# Altium PCB PCB-Tester-Board.PcbDoc (part 2 of 7) (continued)
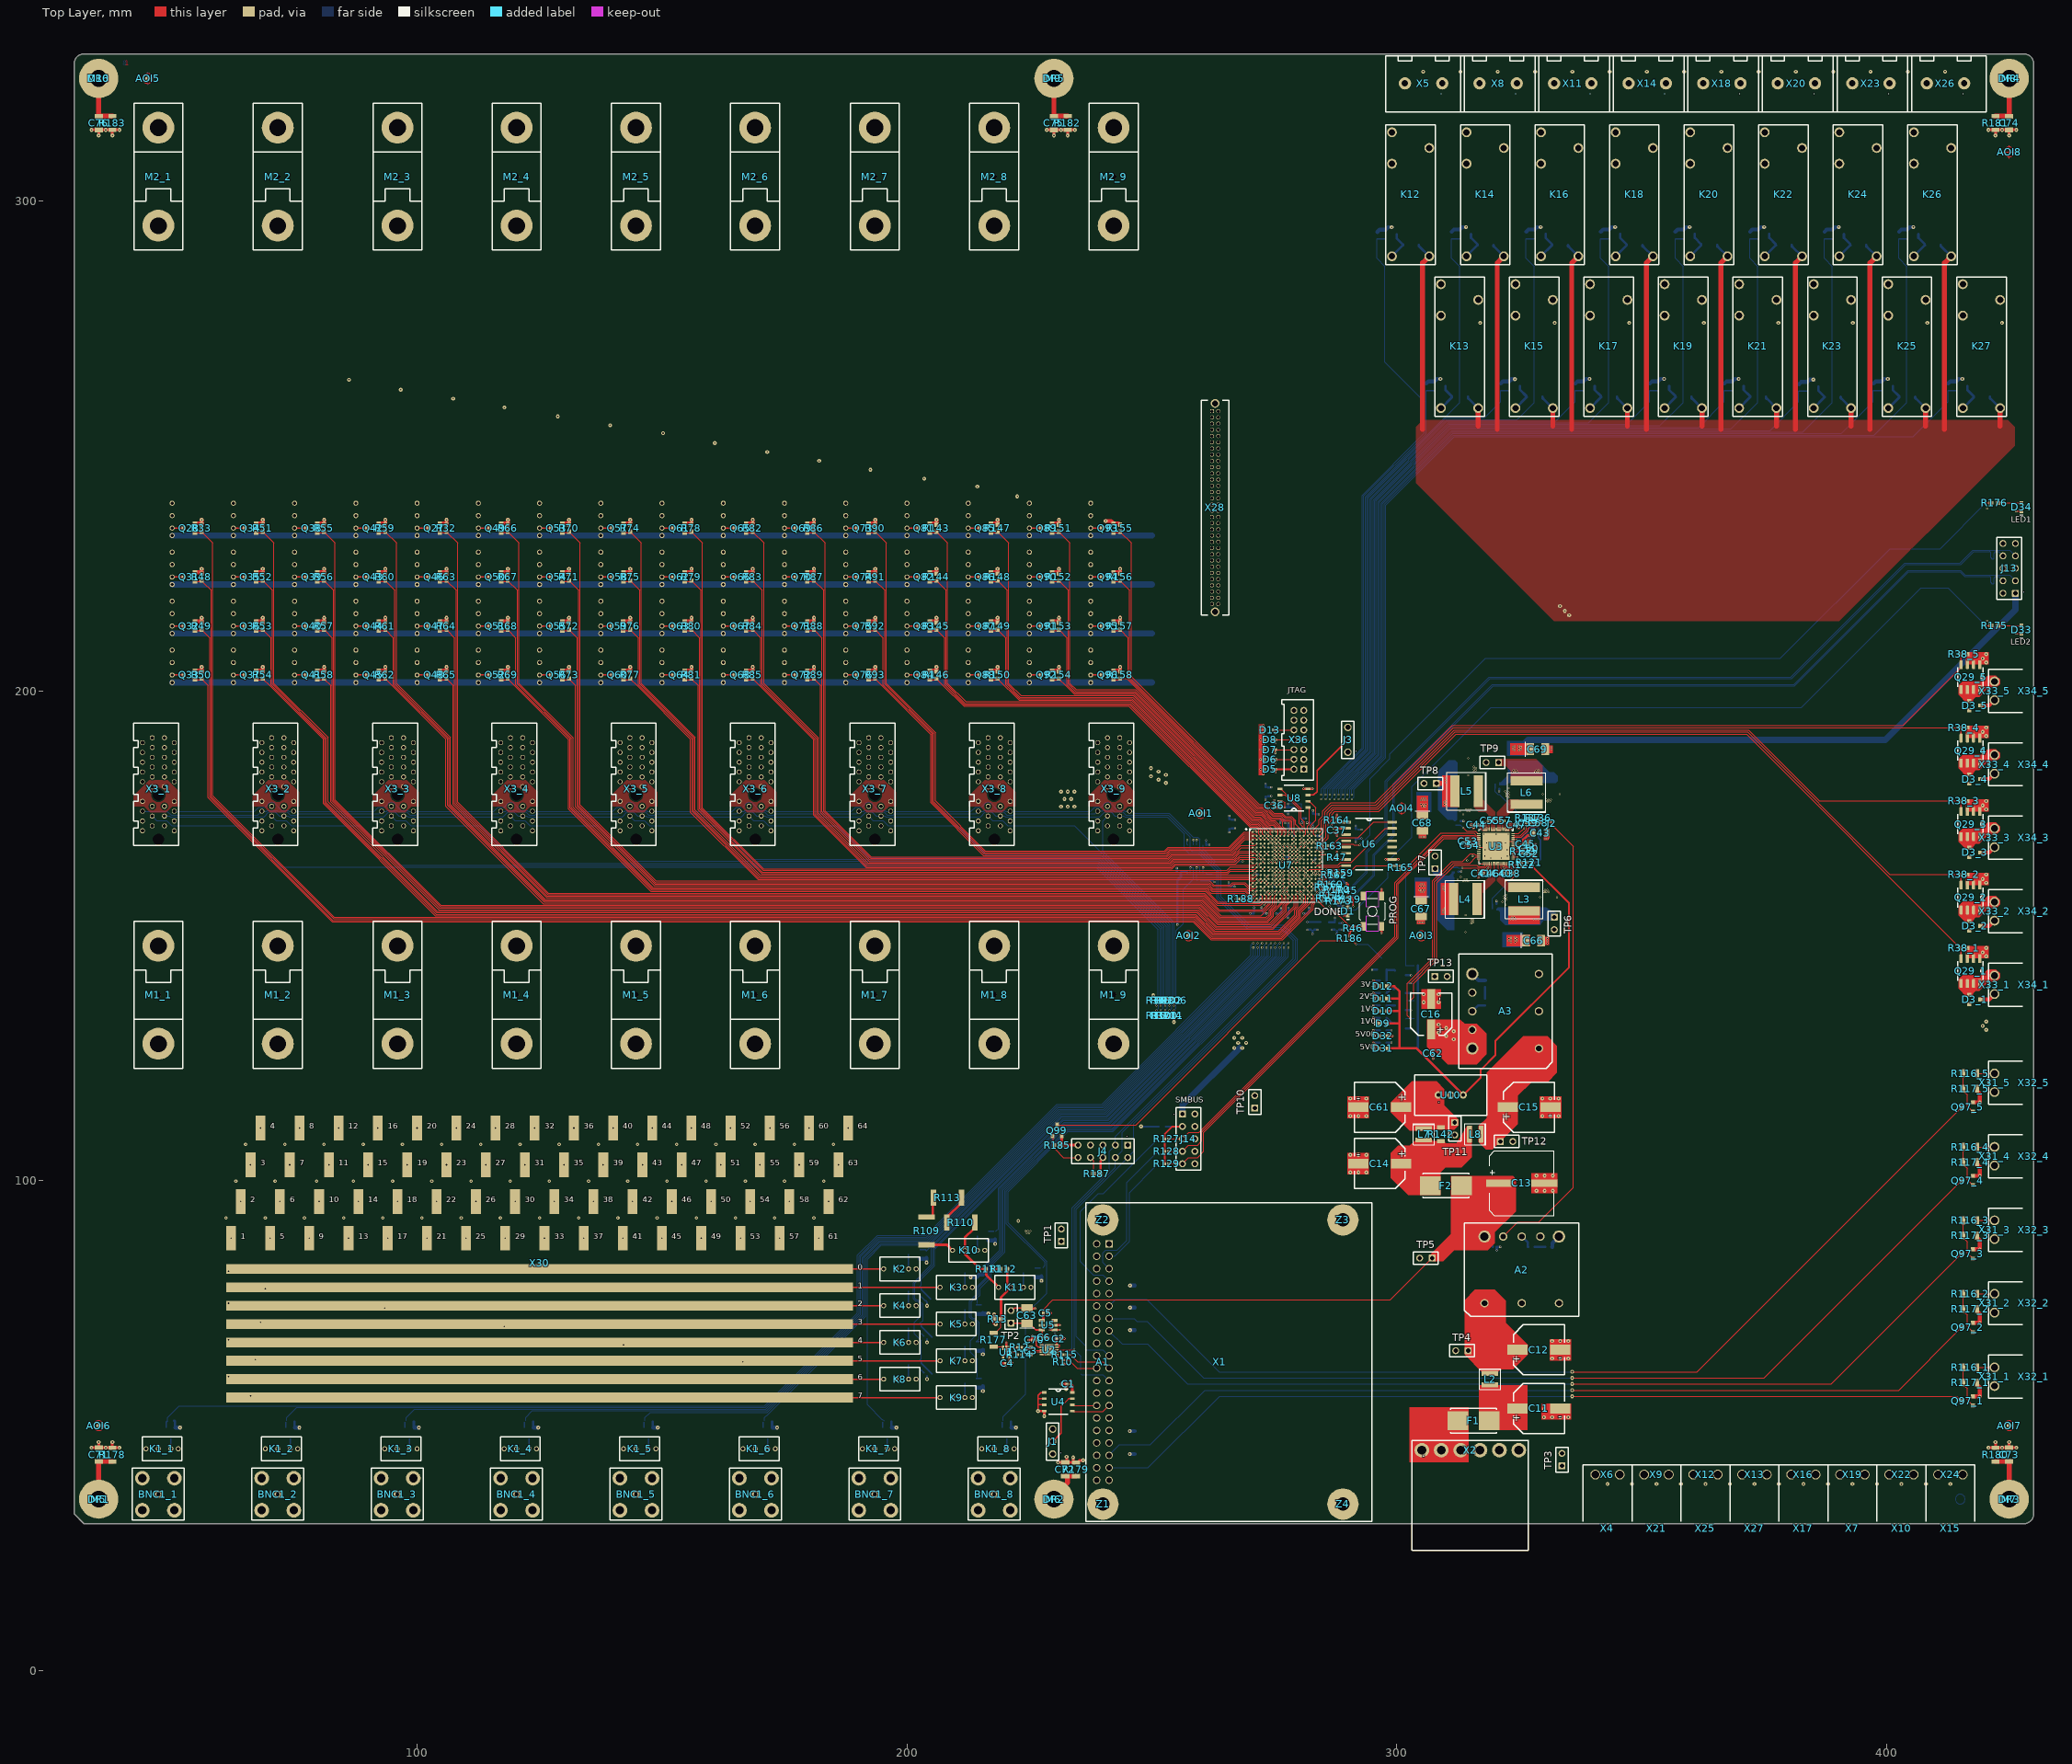
[diagram p0: Top Layer view]
## Part data (continued)
C13: "CAP ALUM 680UF 20% 50V SMD", 02. Distributor Part Number=PCE3465CT-ND, 04. Manufacturer="Panasonic Electronic Components", 07. Manufacturer  Part Number=EEV-FK1V681Q, 09. Operating Temperature="-55°C ~ 105°C", Lifetime @ Temp="5000 Hrs @ 105°C", Package="Ø12.5 mm x 13.5mm", Tolerance=±20%, Voltage Rating=35V, 01. Distributor=DigiKey, 03. Unit Price=1.25, 3D-Export=No, 11. RoHS=YES, ComponentLink1Description=Info, ComponentLink1URL=https://www.digikey.de/product-detail/en/panasonic-electronic-components/EEV-FK1H681M/PCE3523DKR-ND/1838505, ComponentLink2Description=DataSheet, ComponentLink2URL=https://industrial.panasonic.com/cdbs/www-data/pdf/RDE0000/ABA0000C1181.pdf, ESR="60 mΩ", Type="Radial, Can - SMD"
C16: "CAP ALUM 220UF 20% 6.3V SMD", 02. Distributor Part Number=PCE3985DKR-ND, 04. Manufacturer="Panasonic Electronic Components", 07. Manufacturer  Part Number=EEE-FC0J221P, 09. Operating Temperature="-40°C ~ 105°C", Lifetime @ Temp="1000 Hrs @ 105°C", Package="Ø8mm x 6.2mm", Tolerance=±20%, Voltage Rating=6,3V, 01. Distributor=DigiKey, 03. Unit Price=0.57, 3D-Export=No, 11. RoHS=YES, 13. Created Date/Name=AUG2018/Hören, ComponentLink1Description=Info, ComponentLink1URL=https://www.digikey.de/product-detail/en/panasonic-electronic-components/EEE-FC0J221P/PCE3985DKR-ND/1806511, ComponentLink2Description=DataSheet, ComponentLink2URL=https://industrial.panasonic.com/cdbs/www-data/pdf/RDE0000/ABA0000C1172.pdf, ESR="400 mΩ", Type="Radial, Can - SMD"
C24 C25 C26 C27 C28 C29 C30 C31 C32 C33 C34 C35: "CAP CER 47UF 10V X5R 1210", 02. Distributor Part Number=1276-3380-6-ND, 04. Manufacturer="Samsung Electro-Mechanics", 07. Manufacturer  Part Number=CL32A476MPJNNNE, 09. Operating Temperature="-55°C ~ 85°C", Package=1210, Tolerance=±20%, Voltage Rating=10V, 01. Distributor=DigiKey, 03. Unit Price=0.88, 11. RoHS=YES, 13. Created Date/Name=AUG2018/Hören, ComponentLink1Description=Info, ComponentLink2Description=DataSheet, Type=X5R
C38 C40 C41 C42 C44 C45 C46 C47 C48 C53 C55 C56 C57 C60: "CAP CER 0.1UF 25V X7R 0402", 02. Distributor Part Number=311-2077-6-ND, 04. Manufacturer=Yageo, 07. Manufacturer  Part Number=CC0402KRX7R8BB104, 09. Operating Temperature="-55°C ~ 125°C", Package=0402, Tolerance=±10%, Voltage Rating=25V, 01. Distributor=DigiKey, 03. Unit Price=0.09, 11. RoHS=YES, 13. Created Date/Name=AUG2018/Hören, ComponentLink1Description=Info, ComponentLink1URL=https://www.digikey.de/products/en?keywords=311-2077-6-ND, ComponentLink2Description=DataSheet, Type=X7R
C39 C62: "CAP CER 0.1UF 16V X7R 0402", 02. Distributor Part Number=399-7761-6-ND, 04. Manufacturer=KEMET, 07. Manufacturer  Part Number=C0402C104J4RACTU, 09. Operating Temperature="-55°C ~ 125°C", Package=0402, Tolerance=±5%, Voltage Rating=16V, 01. Distributor=DigiKey, 03. Unit Price=0.45, 11. RoHS=YES, 13. Created Date/Name=AUG2018/Hören, ComponentLink1Description=Info, ComponentLink1URL=https://www.digikey.de/product-detail/en/kemet/C0402C104J4RACTU/399-7761-6-ND/3472292, ComponentLink2Description=DataSheet, ComponentLink2URL=https://content.kemet.com/datasheets/KEM_C1002_X7R_SMD.pdf, Type=X7R
C49 C51: library part C_11, "CAP CER 2.2UF 10V X7R 0805", 02. Distributor Part Number=1276-1188-1-ND, 04. Manufacturer="Samsung Electro-Mechanics", 07. Manufacturer  Part Number=CL21B225KPFNNNE, Package=0805, Voltage Rating=10V, 01. Distributor=DigiKey, 03. Unit Price=0.11, 11. RoHS=YES, ComponentLink1Description=Info, ComponentLink1URL=https://www.digikey.de/products/en?keywords=311-2077-6-ND, ComponentLink2Description=DataSheet, Type=X7R
C50 C52: library part C_7, "CAP CER 1000PF 25V X7R 0402", 02. Distributor Part Number=399-1031-6-ND, 04. Manufacturer=KEMET, 07. Manufacturer  Part Number=C0402C102K3RACTU, 09. Operating Temperature="-55°C ~ 125°C", Package=0402, Tolerance=±10%, Voltage Rating=25V, 01. Distributor=DigiKey, 03. Unit Price=0.09, 11. RoHS=YES, 13. Created Date/Name=AUG2018/Hören, ComponentLink1Description=Info, ComponentLink1URL=https://www.digikey.de/products/en?keywords=399-1031-6-ND, ComponentLink2Description=DataSheet, Type=X7R
C54: library part C_2, "CAP CER 1UF 6.3V X7R 0402", 02. Distributor Part Number=490-13339-6-ND, 04. Manufacturer="Murata Electronics", 07. Manufacturer  Part Number=GRM155R70J105KA12J, 09. Operating Temperature="-55°C ~ 125°C", Package=0402, Tolerance=±10%, Voltage Rating=6.3V, 01. Distributor=DigiKey, 03. Unit Price=0.11, 11. RoHS=YES, 13. Created Date/Name=AUG2018/Hören, ComponentLink1Description=Info, ComponentLink1URL=https://www.digikey.de/product-detail/en/murata-electronics/GRM155R70J105KA12J/490-13339-6-ND/5973468, ComponentLink2Description=DataSheet, Type=X7R
C58 C59: library part C_10, "CAP CER 0.01UF 25V X7R 0402", 02. Distributor Part Number=490-6043-1-ND, 04. Manufacturer="Murata Electronics", 07. Manufacturer  Part Number=GCM155R71E103KA37D, 09. Operating Temperature="-55°C ~ 125°C", Package=0402, Tolerance=±10%, Voltage Rating=25V, 01. Distributor=DigiKey, 03. Unit Price=0.09, 11. RoHS=YES, ComponentLink1Description=Info, ComponentLink2Description=DataSheet, ComponentLink2URL=https://www.murata.com/~/media/webrenewal/support/library/catalog/products/capacitor/mlcc/c03e.ashx?la=en-us, Type=X7R
  C58: ComponentLink1URL=https://www.digikey.de/products/en?keywords=311-2077-6-ND
  C59: ComponentLink1URL=https://www.digikey.de/product-detail/en/murata-electronics/GCM155R71E103KA37D/490-6043-1-ND/3845243
C63: library part C+_TAN, "CAP TANT 10UF 20% 16V 1411", 02. Distributor Part Number=718-2344-1-ND, 04. Manufacturer="Vishay Sprague", 07. Manufacturer  Part Number=TMCHB1C106MTRF, 01. Distributor=DigiKey, 03. Unit Price=0.4, 3D-Export=No, 11. RoHS=YES, ComponentLink1Description=Info, ComponentLink2Description=DataSheet
C66 C67 C68 C69: library part C+_TAN, "CAP TANT 47UF 20% 10V 1411", 02. Distributor Part Number=478-12531-1-ND, 04. Manufacturer="AVX Corporation", 07. Manufacturer  Part Number=F971A476MBAHT3, 01. Distributor=DigiKey, 03. Unit Price=0.73, 3D-Export=No, 11. RoHS=YES, ComponentLink1Description=Info, ComponentLink2Description=DataSheet
C71 C72 C73 C74 C75 C76: "Capacitor Unpolarized", 09. Operating Temperature=-xx..+yy°C, Tolerance=±20%, 11. RoHS=???, 13. Created Date/Name=AUG2018/Hören, ComponentLink1Description=Info, ComponentLink2Description=DataSheet
C310 C316 C318 C436 C437 C444 C451 C456 C463: library part CAP, "CAP CER 47UF 10V X5R 0805", 02. Distributor Part Number=490-9961-6-ND, 04. Manufacturer="Murata Electronics North America", 07. Manufacturer  Part Number=GRM21BR61A476ME15L, 09. Operating Temperature="-55°C ~ 85°C", MFR=MURATA, MFR-PN=GRM32ER71A476KE15L, MFR-TYPE="GRM series", Tolerance=±20%, Voltage Rating=10V, 01. Distributor=DigiKey, 03. Unit Price=0.67, 3D-Export=No, 11. RoHS=YES, ComponentLink4Description=Info, ComponentLink4URL=https://www.digikey.de/product-detail/en/murata-electronics-north-america/GRM21BR61A476ME15L/490-9961-6-ND/5027050, ComponentLink5Description=DataSheet, ComponentLink5URL=https://search.murata.co.jp/Ceramy/image/img/A01X/G101/ENG/GRM21BR61A476ME15-01.pdf, Parameters="X7R, 10V, 10%", POPULATED=yes, Temperature Range="-55°C ~ 85°C", Type=X7R
C311 C312 C313 C430 C431 C438 C439 C445 C446 C452 C453 C457 C458 C464 C465 C470 C476 C477: library part CAP, "CAP CER 4.7UF 6.3V X5R 0402", 02. Distributor Part Number=1276-1481-6-ND, 04. Manufacturer="Samsung Electro-Mechanics", 07. Manufacturer  Part Number=CL05A475KQ5NRNC, 09. Operating Temperature="-55°C ~ 85°C", Temperature Range=-40°C/+85°C, Tolerance=10%, Voltage Rating=6V3, 01. Distributor=DigiKey, 03. Unit Price=0.28, 3D-Export=No, 11. RoHS=YES, ComponentLink4Description=DataSheet, ComponentLink4URL=https://media.digikey.com/pdf/Data%20Sheets/Samsung%20PDFs/CL_Series_MLCC_ds.pdf, ComponentLink5Description=Info, ComponentLink5URL=https://www.digikey.de/product-detail/en/samsung-electro-mechanics/CL05A475KQ5NRNC/1276-1481-6-ND/3891995, Parameters="X7R, 6V3, 10%", POPULATED=yes, Type=X7R
C314 C315 C317 C432 C433 C434 C435 C440 C441 C442 C443 C447 C448 C449 C450 C454 C455 C459 C460 C461 C462 C466 C467 C468 C469: library part CAP, "CAP CER 0.47UF 10V X5R 0402", 02. Distributor Part Number=1276-1173-6-ND, 04. Manufacturer="Samsung Electro-Mechanics", 07. Manufacturer  Part Number=CL05A474KP5NNNC, 09. Operating Temperature="-55°C ~ 85°C", Tolerance=10%, Voltage Rating=10V, 01. Distributor=DigiKey, 03. Unit Price=0.09, 3D-Export=No, 11. RoHS=YES, ComponentLink4Description=Info, ComponentLink4URL=https://www.digikey.de/product-detail/en/samsung-electro-mechanics/CL05A474KP5NNNC/1276-1173-6-ND/3891687, ComponentLink5Description=DataSheet, ComponentLink5URL=https://media.digikey.com/pdf/Data%20Sheets/Samsung%20PDFs/CL_Series_MLCC_ds.pdf, Parameters="X5R, 10V, 10%", POPULATED=yes, Temperature Range="-55°C ~ 85°C", Type=X5R
C471: library part CAP, "CAP CER 0.1UF 25V X7R 0402", 02. Distributor Part Number=311-2077-6-ND, 04. Manufacturer=Yageo, 07. Manufacturer  Part Number=CC0402KRX7R8BB104, 09. Operating Temperature="-55°C ~ 85°C", Temperature Range=-40°C/+85°C, Tolerance=10%, Voltage Rating=6V3, 01. Distributor=DigiKey, 03. Unit Price=0.09, 3D-Export=No, 11. RoHS=YES, ComponentLink4Description=DataSheet, ComponentLink4URL=https://media.digikey.com/pdf/Data%20Sheets/Samsung%20PDFs/CL_Series_MLCC_ds.pdf, ComponentLink5Description=Info, ComponentLink5URL=https://www.digikey.de/product-detail/en/samsung-electro-mechanics/CL05A475KQ5NRNC/1276-1481-6-ND/3891995, Parameters="X7R, 6V3, 10%", POPULATED=yes, Type=X7R
D1 D9 D10 D11 D12 D31 D32 D33 D34: library part LED, "LED GREEN DIFFUSED 0603 SMD", 02. Distributor Part Number=475-2709-6-ND, 04. Manufacturer="OSRAM Opto Semiconductors Inc.", 07. Manufacturer  Part Number="LG L29K-G2J1-24-Z", Color=GREEN, 01. Distributor=DigiKey, 03. Unit Price=0.4, 11. RoHS=YES, 13. Created Date/Name=AUG2018/Hören, ComponentLink1Description=Info, ComponentLink1URL=https://www.digikey.de/products/en?keywords=475-2709-6-ND, ComponentLink2Description=DataSheet, ComponentLink2URL=https://www.digikey.de/products/en?keywords=475-2709-6-ND, If=2mA, Vf=1.7V, Viewing Angle=160°, Wave Length=570nm
  D11: NicName=DNM
D3_1 D3_2 D3_3 D3_4 D3_5: library part HSMS-2800-TR1G, "DIODE SCHOTTKY 70V 70MA SOT23-3", 02. Distributor Part Number=BAS70LT1GOSCT-ND, 04. Manufacturer="ON Semiconductor", 07. Manufacturer  Part Number=BAS70LT1G, 01. Distributor=DigiKey, 03. Unit Price=0.18, 13. Created Date/Name="AUG 2018 / Hören", ComponentLink1Description=Info, ComponentLink1URL=https://www.digikey.de/products/en/discrete-semiconductor-products/diodes-rf/284?k=HSMS-2800&k=&pkeyword=HSMS-2800&sv=0&pv7=243&sf=0&quantity=&ColumnSort=0&page=1&pageSize=25, ComponentLink2Description=DataSheet, ComponentLink2URL=https://docs.broadcom.com/docs/AV02-0533EN
D5 D6 D7 D8 D13: library part UCLAMP3301D.TCT, "TVS DIODE 3.3V 9.5V SOD323", 02. Distributor Part Number=UCLAMP3301DCT-ND, 04. Manufacturer="Semtech Corporation", 01. Distributor=DigiKey, 03. Unit Price=0.67, 07. Manufacturer  Part Number=UCLAMP3301D.TCT, 11. RoHS=YES, ComponentLink1Description=Info, ComponentLink1URL=https://www.digikey.de/product-detail/en/nexperia-usa-inc/PMEG4050EP115/1727-5842-6-ND/2697559, ComponentLink2Description=DataSheet, ComponentLink2URL=https://assets.nexperia.com/documents/data-sheet/PMEG4050EP.pdf
D14 D15 D16 D17 D18 D19 D20 D21 D22 D23 D24 D25 D26 D27 D28 D29: library part 1N4148W, "DIODE GEN PURP 100V 300MA SOD123", 02. Distributor Part Number=1N4148W-FDICT-ND, 04. Manufacturer="Diodes Incorporated", 07. Manufacturer  Part Number=1N4148W-7-F, 01. Distributor=DigiKey, 03. Unit Price=0.14, 11. RoHS=YES, ComponentLink1Description=Info, ComponentLink1URL=https://www.digikey.de/product-detail/en/nexperia-usa-inc/PMEG4050EP115/1727-5842-6-ND/2697559, ComponentLink2Description=DataSheet, ComponentLink2URL=https://assets.nexperia.com/documents/data-sheet/PMEG4050EP.pdf
DR1 DR2 DR3 DR4 DR5 DR6: library part Drill-3.2mm-M3-C, "Fiducal 90 mil", POPULATED="no part"
F1: library part Fuse, "FUSE BRD MNT 2.5A 125VAC/VDC SMD", 02. Distributor Part Number=F1306DKR-ND, 04. Manufacturer="Littelfuse Inc.", 07. Manufacturer  Part Number=015402.5DRT, 09. Operating Temperature="-55°C ~ 125°C", 01. Distributor=DigiKey, 03. Unit Price=2.75, 3D-Export=No, 11. RoHS=YES, 13. Created Date/Name="AUG 2018 / Hören", ComponentLink1Description=Info, ComponentLink1URL=https://www.digikey.de/products/en/circuit-protection/fuses/139?k=&pkeyword=&sv=0&pv7=243&sf=0&FV=ffec3b86%2Cffec4f0c%2Cffec8a72%2Cffec8a73%2Cfffc0012%2C55c00d7%2C1f140000%2Cffe0008b%2Cmu2.5A%7C2088&quantity=&ColumnSort=0&page=1&pageSize=25, ComponentLink2Description=DataSheet, ComponentLink2URL=https://www.littelfuse.com/~/media/electronics/datasheets/fuses/littelfuse_fuse_154_154t_154l_154tl_datasheet.pdf.pdf, Speed=SLOW
F2: library part Fuse, "FUSE BOARD MNT 3A 125VAC/VDC SMD", 02. Distributor Part Number=F10747DKR-ND, 04. Manufacturer="Littelfuse Inc.", 07. Manufacturer  Part Number=0154003.DRTL, 09. Operating Temperature="-55°C ~ 125°C", 01. Distributor=DigiKey, 03. Unit Price=2.84, 3D-Export=No, 11. RoHS=YES, 13. Created Date/Name="AUG 2018 / Hören", ComponentLink1Description=Info, ComponentLink1URL=https://www.digikey.de/product-detail/en/littelfuse-inc/0154003.DRTL/F10747DKR-ND/8109626, ComponentLink2Description=DataSheet, ComponentLink2URL=https://www.littelfuse.com/~/media/electronics/datasheets/fuses/littelfuse_fuse_154_154t_154l_154tl_datasheet.pdf.pdf, Speed=SLOW
J1 J3: library part "Header 3Pins 100mil", "CONN HEADER VERT 3POS 2.54MM", 02. Distributor Part Number=HMTSW-103-07-G-S-240, 04. Manufacturer="Samtec Inc.", 01. Distributor="Samtec Inc.", 03. Unit Price=0.25, 07. Manufacturer  Part Number=HMTSW-103-07-G-S-240, 11. RoHS=YES, 13. Created Date/Name=AUG2018/Hören, ComponentLink1Description=Info, ComponentLink1URL=https://www.samtec.com/products/hmtsw-103-07-g-s-240, ComponentLink2Description=DataSheet, ComponentLink2URL=http://suddendocs.samtec.com/catalog_english/hmtsw.pdf
J2: library part NT, "Net Tie", 02. Distributor Part Number=N/A, 01. Distributor=N/A, 03. Unit Price=N/A, 04. Manufacturer=N/A, 05. Quantity=N/A, 06. Data Sheet=N/A, 07. Manufacturer  Part Number=N/A, 08. Inhouse Stock=N/A, 09. Operating Temperature=N/A, 10. Weight=N/A, 11. RoHS=N/A, 12.UL94 Flammability=N/A, 13. Created Date/Name=AUG2018/Hören, ComponentLink1Description=Info, ComponentLink2Description=DataSheet
J4 J13: library part "Header 5x2Pins 100mil", 02. Distributor Part Number=HMTSW-103-07-G-S-240, 04. Manufacturer="Samtec Inc.", 01. Distributor="Samtec Inc.", 03. Unit Price=0.25, 07. Manufacturer  Part Number=HMTSW-103-07-G-S-240, 11. RoHS=YES, 13. Created Date/Name=AUG2018/Hören, ComponentLink1Description=Info, ComponentLink1URL=https://www.samtec.com/products/hmtsw-103-07-g-s-240, ComponentLink2Description=DataSheet, ComponentLink2URL=http://suddendocs.samtec.com/catalog_english/hmtsw.pdf, NicName=DNM
J5 J6 J7 J8 J9 J10 J11 J12 J15 J16 J17 J18: library part "Jumper SMD", "RES SMD 0 OHM JUMPER 1/10W 0603", 02. Distributor Part Number=311-0.0GRDKR-ND, 04. Manufacturer=Yageo, 07. Manufacturer  Part Number=RC0603JR-070RL, 09. Operating Temperature="-55°C ~ 155°C", Package=0603, 01. Distributor=DigiKey, 03. Unit Price=0.09, 11. RoHS=YES, ComponentLink4Description=Info, ComponentLink4URL=https://www.digikey.de/product-detail/en/yageo/RC0603JR-070RL/311-0.0GRDKR-ND/732569, ComponentLink5Description=DataSheet, ComponentLink5URL=http://www.yageo.com/documents/recent/PYu-RC_Group_51_RoHS_L_10.pdf
  J5 J6 J7 J8 J11 J12 J15 J16 J17 J18: POPULATED=MNT
J14: library part "Header 5x2Pins 100mil", ".100\" High-Temp Variable Post Height Terminal Strip", 02. Distributor Part Number=HMTSW-105-07-G-D-240, 04. Manufacturer="Samtec Inc.", 01. Distributor="Samtec Inc.", 03. Unit Price=0.843, 07. Manufacturer  Part Number=HMTSW-105-07-G-D-240, 11. RoHS=YES, 13. Created Date/Name=AUG2018/Hören, ComponentLink1Description=Info, ComponentLink1URL=https://www.samtec.com/products/hmtsw-103-07-g-s-240, ComponentLink2Description=DataSheet, ComponentLink2URL=http://suddendocs.samtec.com/catalog_english/hmtsw.pdf
K1_1 K1_2 K1_3 K1_4 K1_5 K1_6 K1_7 K1_8 K2 K3 K4 K5 K6 K7 K8 K9 K10 K11 K28 K29 K30 K31 K32 K33 K34 K35 K36 K37 K38 K39 K40 K41 K42 K43 K44 K45 K46 K47 K48 K49 K50 K51 K52 K53 K54 K55 K56 K57 K58 K59 K60 K61 K62 K63 K64 K65 K66 K67 K68 K69 K70 K71 K72 K73 K74 K75 K76 K77 K78 K79 K80 K81 K82 K83 K84 K85 K86 K87 K88 K89 K90 K91: library part 118-1-A-5/2D, "5V Signal Relais, Normal Open", 04. Manufacturer=Pickering, 09. Operating Temperature="-20°C ~ +85°C", Coil Resistance="1500 Ohm", Coil Voltage=5V, Max Carry Current="1.2 A", Max Switch Current=1A, Max Switch Voltage=200V, Power Rating=15W, 01. Distributor=Pickering, 02. Distributor Part Number=118-1-A-5/2D, 03. Unit Price=2.60, 05. Quantity=1000, 06. Data Sheet=Pickering_series_118.pdf, 07. Manufacturer  Part Number=118-1-A-5/2D, 11. RoHS=2011/65/EU, 13. Created Date/Name="20.12.17 S. Kaiser", ComponentLink1Description=Info, ComponentLink1URL=http://www.pickeringrelay.com/, ComponentLink2Description=DataSheet, ComponentLink2URL=https://www.pickeringrelay.com/products/single-line-sil-series-111-119/single-line-sil-series-118/
K12 K13 K14 K15 K16 K17 K18 K19 K20 K21 K22 K23 K24 K25 K26 K27: library part HF118F005-1ZS1, "5V Power Relay, switch over", 02. Distributor Part Number=176-2821, 04. Manufacturer="Hongfa Europe GMBH", 07. Manufacturer  Part Number=HF118F/005-1ZS1T(136), 09. Operating Temperature=-xx..+yy°C, Coil Resistance=113Ω, Coil Voltage=5V, Max Carry Current=10A, Max Switch Voltage=440Vac/125Vdc, Power Rating=300Wdc/2.5KVAac, 01. Distributor=RS-Components, 03. Unit Price=2.60, 11. RoHS=YES, 13. Created Date/Name=AUG2018/Hören, ComponentLink1Description=Info, ComponentLink1URL=https://de.rs-online.com/web/p/monostabile-relais/1762821/, ComponentLink2Description=DataSheet, ComponentLink2URL=https://docs.rs-online.com/c37d/0900766b81663e9a.pdf, Max Switch Current=10A
L1: library part FB, "FERRITE BEAD 600 OHM 0805 1LN", 02. Distributor Part Number=732-1620-6-ND, 04. Manufacturer="Würth Elektronik", 07. Manufacturer  Part Number=742792040, 09. Operating Temperature="-55°C ~ 125°C", Impedance Tolerance=%, Package=0805, 01. Distributor=DigiKey, 03. Unit Price=0.22, 11. RoHS=YES, 13. Created Date/Name=AUG2018/Hören, ComponentLink1Description=Info, ComponentLink1URL=https://www.digikey.de/products/en?keywords=732-1620-6-ND, ComponentLink2Description=DataSheet, ComponentLink2URL=https://www.we-online.de/katalog/datasheet/742792040.pdf, DCR=150mΩ, IRMS=2A, Nominal Impedance="600Ω @ 100MHz"
L2 L7 L8: library part INDUCTOR, "Fixed Inductors 1.5uH Shld 20% 7.5A 23.6mOhms AECQ2", 02. Distributor Part Number=994-XAL4020-152MEC, 04. Manufacturer=Coilcraft, 07. Manufacturer  Part Number=XAL4020-152MEC, Impedance Tolerance=%, Inductance=1u5, 01. Distributor=Mouser, 03. Unit Price=1.75, 11. RoHS=YES, ComponentLink1Description=Info, ComponentLink1URL=https://www.digikey.de/products/en?keywords=732-1620-6-ND, ComponentLink2Description=DataSheet, ComponentLink2URL=https://www.we-online.de/katalog/datasheet/742792040.pdf
L3 L4 L6: library part INDUCTOR, "Fixed Inductors 3.3uH Shld 20% 15.1A 9.42mOhms AECQ2", 02. Distributor Part Number=994-XAL7070-332MEC, 04. Manufacturer=Coilcraft, 07. Manufacturer  Part Number=XAL7070-332MEC, Impedance Tolerance=%, Inductance=3u3, 01. Distributor=Mouser, 03. Unit Price=3.05, 11. RoHS=YES, ComponentLink1Description=Info, ComponentLink1URL=https://www.digikey.de/products/en?keywords=732-1620-6-ND, ComponentLink2Description=DataSheet, ComponentLink2URL=https://www.we-online.de/katalog/datasheet/742792040.pdf
L5: library part INDUCTOR, "Fixed Inductors 3.3uH Shld 20% 15.1A 9.42mOhms AECQ2", 02. Distributor Part Number=994-XAL7070-332MEC, 04. Manufacturer=Coilcraft, 07. Manufacturer  Part Number=XAL7070-332MEC, Impedance Tolerance=%, Inductance=DNM, 01. Distributor=Mouser, 03. Unit Price=3.05, 11. RoHS=YES, ComponentLink1Description=Info, ComponentLink1URL=https://www.digikey.de/products/en?keywords=732-1620-6-ND, ComponentLink2Description=DataSheet, ComponentLink2URL=https://www.we-online.de/katalog/datasheet/742792040.pdf
M1_1 M1_2 M1_3 M1_4 M1_5 M1_6 M1_7 M1_8 M1_9 M2_1 M2_2 M2_3 M2_4 M2_5 M2_6 M2_7 M2_8 M2_9: 02. Distributor Part Number=N/A, 01. Distributor=N/A, 13. Created Date/Name="??? / Hören", ComponentLink1Description=Info, ComponentLink2Description=DataSheet, System=Connector
M5 M6 M7 M8 M9 M10: "PLASTIC SPACER STUD METRIC THREA", 02. Distributor Part Number=732-13017-ND, 04. Manufacturer="Würth Elektronik", 07. Manufacturer  Part Number=970180155, 01. Distributor=DigiKey, 03. Unit Price=0.92, 13. Created Date/Name="??? / Hören", ComponentLink1Description=Info, ComponentLink1URL=https://www.digikey.de/products/de?keywords=970180155, ComponentLink2Description=DataSheet, ComponentLink2URL=https://www.we-online.de/katalog/datasheet/970xxxxxx_overall.pdf, System=Connector
PROG: library part PUSH_BTN, "Tactile Switches 5.2x5.2x1.5mm 160gf", 02. Distributor Part Number=688-SKQGAB, 04. Manufacturer=Alps, 01. Distributor=Mouser, 03. Unit Price=0.497, 07. Manufacturer  Part Number=SKQGABE010, 11. RoHS=YES, ComponentLink1Description=Info, ComponentLink2Description=DataSheet
Q1 Q2 Q3 Q4 Q5 Q6 Q7 Q8 Q9 Q10 Q11 Q12 Q13 Q14 Q15 Q16 Q17 Q18 Q19 Q20 Q21 Q22 Q23 Q24 Q25 Q26 Q27 Q28 Q30 Q31 Q32 Q33 Q34 Q35 Q36 Q37 Q38 Q39 Q40 Q41 Q42 Q43 Q44 Q45 Q46 Q47 Q48 Q49 Q50 Q51 Q52 Q53 Q54 Q55 Q56 Q57 Q58 Q59 Q60 Q61 Q62 Q63 Q64 Q65 Q66 Q67 Q68 Q69 Q70 Q71 Q72 Q73 Q74 Q75 Q76 Q77_1 Q77_2 Q77_3 Q77_4 Q77_5 Q77_6 Q77_7 Q77_8 Q78 Q79 Q80 Q81 Q82 Q83 Q84 Q85 Q86 Q87 Q88 Q89 Q90 Q91 Q92 Q93 Q94 Q95 Q96 Q98 Q99: library part FDV303N, "MOSFET N-CH 25V 680MA SOT-23", 02. Distributor Part Number=FDV303NDKR-ND, 04. Manufacturer="ON Semiconductor", 09. Operating Temperature="-55°C ~ 150°C (TJ)", Power Rating=350mW, 01. Distributor=DigiKey, 03. Unit Price=0.41, 3D-Export=No, 07. Manufacturer  Part Number=FDV303N, 11. RoHS=YES, 13. Created Date/Name="AUG 2018 / Hören", ComponentLink1Description=Info, ComponentLink1URL=https://www.digikey.de/product-detail/en/on-semiconductor/FDV303N/FDV303NDKR-ND/1630434, ComponentLink2Description=DataSheet, ComponentLink2URL=https://media.digikey.com/pdf/Data%20Sheets/Fairchild%20PDFs/FDV303N.pdf, Id=680mA, Rds On="450 mΩ @ id=500mA & Vgs=4.5V", Vdss=25V, Vgs,th="1.5V @ 250uA"
  Q79: NicName=DNM
Q29_1 Q29_2 Q29_3 Q29_4 Q29_5: library part AO4266E, "Transistor: N-MOSFET; unipolar; 60V; 8,5A; 2W; SO8", 04. Manufacturer="ALPHA & OMEGA SEMICONDUCTOR", 01. Distributor=TME, 02. Distributor Part Number=AO4266E, 03. Unit Price=0.242, 07. Manufacturer  Part Number=AO4266E, 11. RoHS=YES, ComponentLink1Description=Info, ComponentLink1URL=https://www.digikey.de/product-detail/en/on-semiconductor/FDV303N/FDV303NDKR-ND/1630434, ComponentLink2Description=DataSheet, ComponentLink2URL=https://media.digikey.com/pdf/Data%20Sheets/Fairchild%20PDFs/FDV303N.pdf
Q97_1 Q97_2 Q97_3 Q97_4 Q97_5: library part NPN, "MOSFET N-CH 25V 680MA SOT-23", 02. Distributor Part Number=FDV303NDKR-ND, 04. Manufacturer="ON Semiconductor", 07. Manufacturer  Part Number=FDV303N, 09. Operating Temperature="-55°C ~ 150°C (TJ)", Power Rating=350mW, 01. Distributor=DigiKey, 03. Unit Price=0.41, 3D-Export=No, 11. RoHS=YES, 13. Created Date/Name="AUG 2018 / Hören", ComponentLink1Description=Info, ComponentLink1URL=https://www.digikey.de/product-detail/en/on-semiconductor/FDV303N/FDV303NDKR-ND/1630434, ComponentLink2Description=DataSheet, ComponentLink2URL=https://media.digikey.com/pdf/Data%20Sheets/Fairchild%20PDFs/FDV303N.pdf, Id=680mA, Rds On="450 mΩ @ id=500mA & Vgs=4.5V", Vdss=25V, Vgs,th="1.5V @ 250uA"
R1_1 R1_2 R1_3 R1_4 R1_5 R1_6 R1_7 R1_8 R2 R3 R4 R5 R6 R7 R8 R9 R14 R15 R16 R17 R18 R19 R20 R21 R22 R23 R24 R25 R26 R27 R28 R29 R30 R31 R32 R33 R38_1 R38_2 R38_3 R38_4 R38_5 R48 R49 R50 R51 R52 R53 R54 R55 R56 R57 R58 R59 R60 R61 R62 R63 R64 R65 R66 R67 R68 R69 R70 R71 R72 R73 R74 R75 R76 R77 R78 R79 R80 R81 R82 R83 R84 R85 R86 R87 R88 R89 R90 R91 R92 R93 R143 R144 R145 R146 R147 R148 R149 R150 R151 R152 R153 R154 R155 R156 R157 R158 R185 R187: "RES SMD 4.7K OHM 1% 1/10W 0603", 02. Distributor Part Number=311-4.70KHRCT-ND, 04. Manufacturer=Yageo, 07. Manufacturer  Part Number=RC0603FR-074K7L, 09. Operating Temperature=-xx..+yy°C, Tolerance=±1%, 01. Distributor=DigiKey, 03. Unit Price=0.09, 11. RoHS=???, 13. Created Date/Name=AUG2018/Hören, ComponentLink1Description=Info, ComponentLink2Description=DataSheet
R10 R11 R34 R35 R36 R37 R98 R100 R102 R104 R106 R184: library part R_10, "RES SMD 10K OHM 1% 1/16W 0402", 02. Distributor Part Number=311-10.0KLRDKR-ND, 04. Manufacturer=Yageo, 07. Manufacturer  Part Number=RC0402FR-0710KL, 09. Operating Temperature="-55°C ~ 155°C", Package=0402, Power Rating=63mW, Tolerance=±1%, 01. Distributor=DigiKey, 03. Unit Price=0.09, 11. RoHS=YES, 13. Created Date/Name=AUG2018/Hören, ComponentLink1Description=Info, ComponentLink1URL=https://www.digikey.de/products/en?keywords=311-10.0KLRDKR-ND, ComponentLink2Description=DataSheet, Type="Thick Film"
R12 R114: "RES SMD 33 OHM 1% 1/16W 0402", 02. Distributor Part Number=311-33.0LRDKR-ND, 04. Manufacturer=Yageo, 07. Manufacturer  Part Number=RC0402FR-0733RL, 09. Operating Temperature="-55°C ~ 155°C", Package=0402, Power Rating=0.1W, Tolerance=±1%, 01. Distributor=DigiKey, 03. Unit Price=0.09, 11. RoHS=YES, 13. Created Date/Name=AUG2018/Hören, ComponentLink1Description=Info, ComponentLink1URL=https://www.digikey.de/product-detail/en/panasonic-electronic-components/ERJ-2RKF15R0X/P15.0LDKR-ND/575530, ComponentLink2Description=DataSheet, ComponentLink2URL=https://industrial.panasonic.com/cdbs/www-data/pdf/RDA0000/AOA0000C304.pdf, Type="Thick Film"
R13: "RES SMD 1.8K OHM 1% 1/16W 0402", 02. Distributor Part Number=311-1.80KLRCT-ND, 04. Manufacturer=Yageo, 07. Manufacturer  Part Number=RC0402FR-071K8L, 09. Operating Temperature=-xx..+yy°C, Tolerance=±1%, 01. Distributor=DigiKey, 03. Unit Price=0.09, 11. RoHS=???, 13. Created Date/Name=AUG2018/Hören, ComponentLink1Description=Info, ComponentLink2Description=DataSheet